# Altium PCB Gebru.PcbDoc (part 2 of 3) (continued)
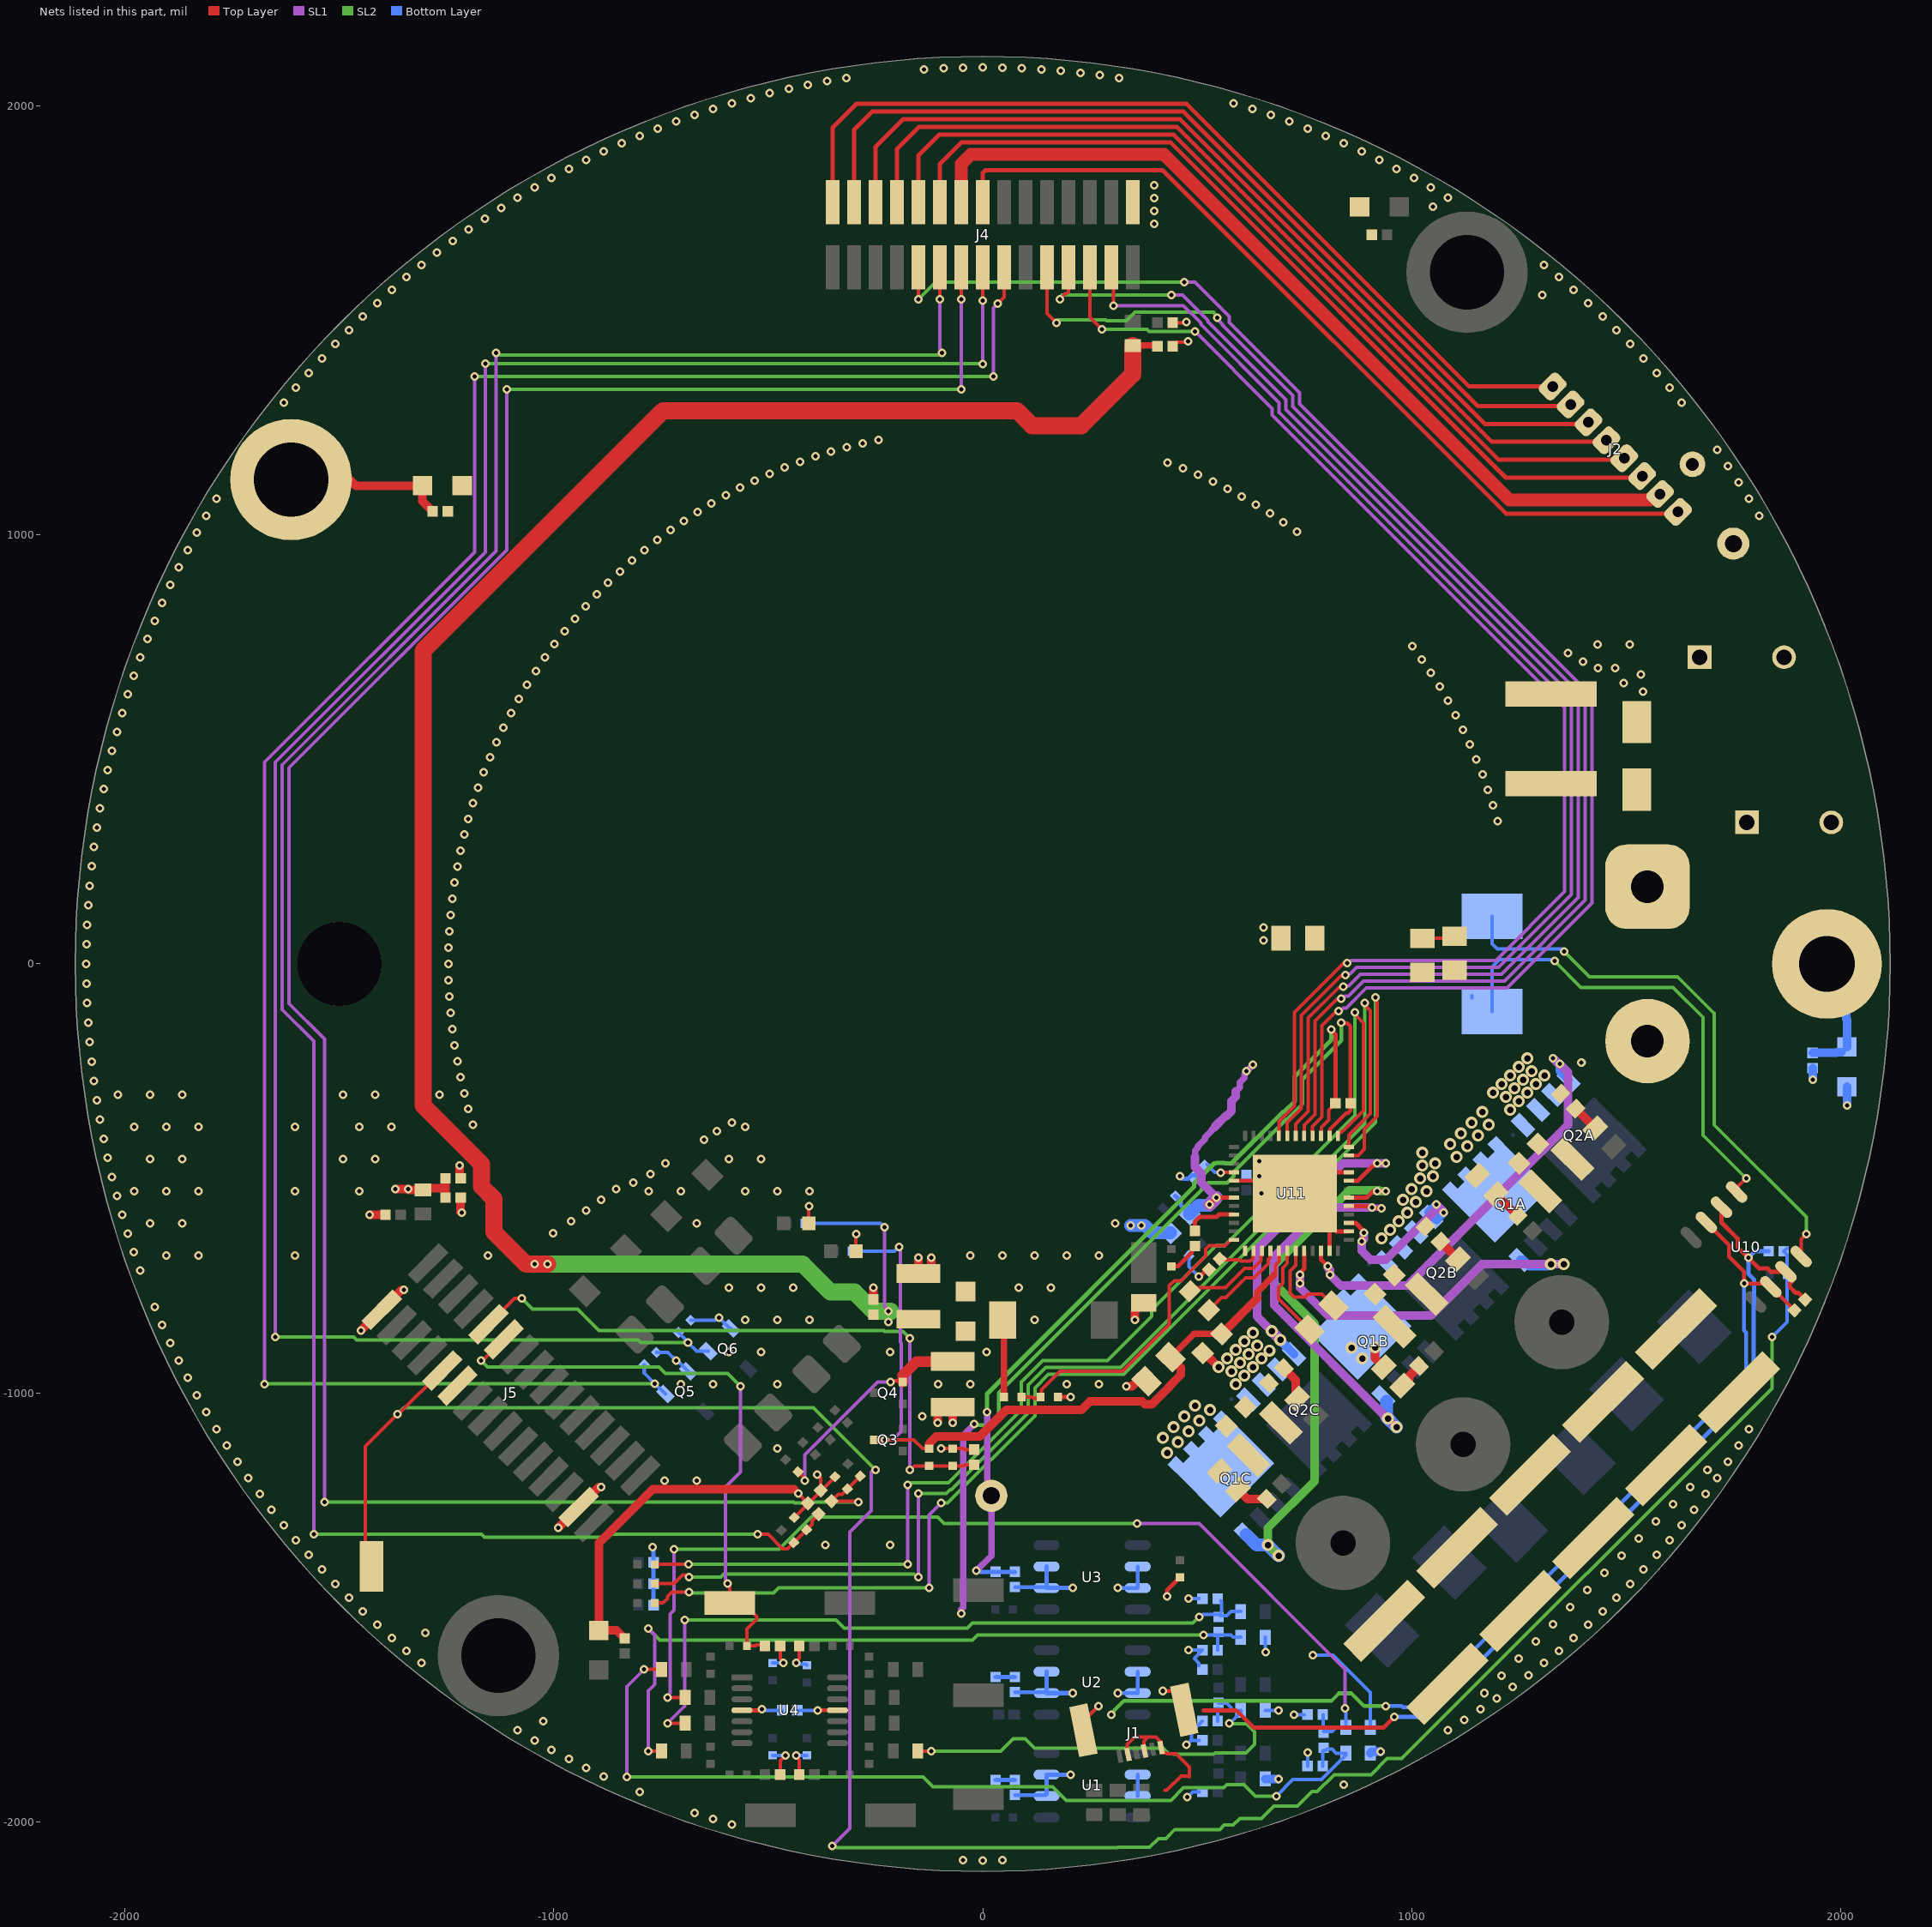
[diagram p6: the nets of this part, all layers, seen from the top]
## Nets (pads, with @x,y where several pads share a name; then routed paths per layer and width w, separated by ;. In a path a pad name is that pad's centre, name@x,y a point inside that pad or via, vN(x,y) a via of type N, cw(c..) or ccw(c..) an arc to the next point about the centre after c; other vN are vias at no path point) (continued)
  Top Layer w10: J4.19@-100,1776.38 -100,1865 -50,1915 438.18,1915 1219.52,1133.66 1533.93,1133.66 J2.3@1537.64,1137.36
ENC_TMP2: J2.4 J4.21 | length 2089.7
  Top Layer w10: J4.21@-150,1776.38 -150,1885 -102,1933 445.63,1933 1203.22,1175.42 1492.17,1175.42 J2.4@1495.88,1179.12
FB: R20.1 R22.2 U11.48 | length 721.9
  Top Layer w8: R20.1@90.18,-1010 114.98,-1010 118.16,-1013.18 131.64,-1013.18 R22.2@134.82,-1010 137.16,-1007.67 137.16,-992.84 180,-950 326.07,-950 435,-841.07 435,-750 446.47,-738.53 462.48,-738.53 480,-721.01 520.2,-680.81 520.2,-664.8 528,-657 565.32,-657 578.33,-643.99 585.42,-643.99 U11.48@586.14,-643.27
FB_STO1: C72.1 J4.18 R64.1 R66.2 | length 5584.4
  Top Layer w8: v1(-290,-1255) -292.3,-1252.7 -300.51,-1252.7 -300.69,-1252.53 C72.1@-352.47,-1252.53 -336.77,-1236.83 -328.29,-1236.83 R66.2@-315.73,-1224.27 R64.1@-285.73,-1194.27 ; v1(-50,1550) J4.18@-50,1623.62
  SL1 w8: v1(-1535,-1255) -1535,-175 -1618,-92 -1618,456.75 -1110,964.75 v1(-1110,1340) ; v1(-50,1340) v1(-50,1550)
  SL2 w8: v1(-1535,-1255) -441.11,-1255 -439.11,-1257 -420.89,-1257 -418.89,-1255 v1(-290,-1255) ; v1(-1110,1340) v1(-50,1340)
FB_STO2: C71.1 J4.20 R63.1 R65.2 | length 5472.7
  Top Layer w8: v1(-525,-1330) -500,-1330 -466.7,-1363.3 -454.76,-1363.3 R63.1@-440.73,-1349.27 R65.2@-410.73,-1319.27 -398.17,-1306.71 -398.17,-1298.23 C71.1@-382.47,-1282.53 ; v1(-100,1550) J4.20@-100,1623.62
  SL1 w8: v1(-1560,-1330) -1560,-180 -1634,-106 -1634,463.37 -1135,962.37 v1(-1135,1425) ; v1(-100,1550) -100,1433.25 -95,1428.25 v1(-95,1425)
  SL2 w8: v1(-1560,-1330) -1168.89,-1330 -1161.89,-1337 -873.11,-1337 -866.11,-1330 v1(-525,-1330) ; v1(-1135,1425) -1131.75,1425 -1126.75,1420 -103.25,1420 -98.25,1425 v1(-95,1425)
FSOE_STO1: J4.14 Q5.1 R69.2 | length 5027.3
  Top Layer w8: v1(35,1540) 50,1555 J4.14@50,1623.62
  SL1 w8: v1(-1675,-980) -1675,470 -1185,960 v1(-1185,1370) ; v1(25,1370) 25,1529.31 35,1539.31 v1(35,1540)
  SL2 w8: v1(-1675,-980) -1673.33,-978.33 v1(-764.56,-978.33) ; v1(-1185,1370) v1(25,1370)
  Bottom Layer w8: R69.2@-789.27,-934.27 -789.27,-953.63 v1(-764.56,-978.33) Q5.1@-739.85,-1003.04
FSOE_STO2: J4.16 Q6.1 R70.2 | length 4914.1
  Top Layer w8: v1(0,1546.93) J4.16@0,1623.62
  SL1 w8: v1(-1650,-870) -1650,470 -1160,960 v1(-1160,1400) ; v1(0,1398.93) v1(0,1546.93)
  SL2 w8: v1(-1650,-870) -1466.11,-870 -1459.11,-877 -803,-877 -797.7,-882.3 v1(-687.3,-882.3) ; v1(-1160,1400) -1.07,1400 v1(0,1398.93)
  Bottom Layer w8: R70.2@-709.27,-859.27 -695.24,-873.3 -695.24,-874.36 v1(-687.3,-882.3) -666.56,-903.04 Q6.1@-639.85,-903.04
GD_CLK: J4.4 U11.31 | length 3043.5
  Top Layer w8: J4.4@300,1623.62 305,1618.62 v1(305,1535) ; U11.31@710.16,-401.14 710,-400.98 710,-370.25 743,-337.25 743,-119.63 834.7,-27.93 843.18,-27.93 v1(845.48,-25.63)
  SL1 w8: v1(305,1535) 468.11,1535 508.82,1494.3 508.82,1491.08 691,1308.89 691,1286.12 1373,604.12 1373,161.98 1203.02,-8 872,-8 856.66,-23.34 847.78,-23.34 v1(845.48,-25.63)
GD_CPH: C22.1 U11.4 | length 215.7
  Top Layer w8: C22.1@527.27,-807.27 556.81,-777.73 566.8,-777.73 605.21,-739.31 605.31,-739.31 612.63,-732 632.98,-732 666.14,-698.83 666.14,-689.21 670.06,-685.29 670.06,-669.58 U11.4@670.79,-668.86
GD_CPL: C22.2 U11.3 | length 199.1
  Top Layer w8: C22.2@500,-755 565.49,-755 610.49,-710 620,-710 620.33,-709.67 631.27,-709.67 649.14,-691.79 649.14,-681.36 650.38,-680.12 650.38,-669.58 U11.3@651.1,-668.86
GD_CS: J4.6 U11.32 | length 3087.7
  Top Layer w8: J4.6@250,1623.62 250,1508 v1(278,1480) ; U11.32@690.47,-401.14 690.47,-367.16 727,-330.63 727,-113 839.7,-0.3 847.7,-0.3 v1(850,2)
  SL1 w8: v1(494.39,1474.39) 495.61,1474.39 675,1295 675,1279.49 1357,597.49 1357,168.61 1196.39,8 859.25,8 853.25,2 v1(850,2)
  SL2 w8: v1(278,1480) 382.55,1480 388.16,1474.39 v1(494.39,1474.39)
GD_DVDD: C25.1 U11.40 | length 72.2
  Top Layer w8: v1(554.34,-487.04) 555.59,-485.79 U11.40@586.14,-485.79
  Bottom Layer w8: C25.1@522.53,-467.47 540.66,-485.61 552.91,-485.61 v1(554.34,-487.04)
GD_FAULT_L: J4.22 U11.28 | length 3584.4
  Top Layer w8: v1(-150,1550) J4.22@-150,1623.62 ; U11.28@769.21,-401.14 769.21,-378.92 791,-357.14 791,-144 825,-110 v1(830,-110)
  SL1 w8: v1(470,1590) 494.75,1590 575,1509.75 575,1495.99 739,1331.99 739,1306 1421,624 1421,142.1 1222.9,-56 894.25,-56 847.5,-102.76 840.49,-102.76 833.25,-110 v1(830,-110)
  SL2 w8: v1@-150,1546.75 v1(-150,1550) -110,1590 v1(470,1590)
GD_MISO: J4.10 U11.29 | length 3273.7
  Top Layer w8: J4.10@150,1623.62 150,1517 v1(172,1495) ; U11.29@749.53,-401.14 749.53,-375.98 775,-350.51 775,-132.88 824.83,-83.05 833.32,-83.05 v1(835.61,-80.76)
  SL1 w8: v1(546.82,1506.82) 546.82,1503.57 559,1491.39 559,1489.37 723,1325.37 723,1299.37 1405,617.37 1405,148.73 1216.27,-40 887.63,-40 852.43,-75.19 844.42,-75.19 838.86,-80.76 v1(835.61,-80.76)
  SL2 w8: v1(172,1495) 172,1497.31 176.69,1502 287.11,1502 289.11,1500 335,1500 355,1520 539.31,1520 539.31,1517.57 546.82,1510.06 v1(546.82,1506.82)
GD_MOSI: J4.8 U11.30 | length 3197.3
  Top Layer w8: v1(180,1550) 192.05,1562.05 195.31,1562.05 200,1566.73 J4.8@200,1623.62 ; U11.30@729.84,-401.14 729.84,-373.04 759,-343.88 759,-126.25 829.76,-55.49 838.25,-55.49 v1(840.55,-53.19)
  SL1 w8: v1(440,1560) 465.74,1560 524.82,1500.92 524.82,1497.7 707,1315.52 707,1292.75 1389,610.75 1389,155.35 1209.65,-24 881,-24 853.73,-51.27 842.47,-51.27 v1(840.55,-53.19)
  SL2 w8: v1(180,1550) 180,1555 185,1560 v1(440,1560)
GD_SOA: R15.2 U11.25 | length 2787.2
  Top Layer w8: R15.2@-764.82,-1400 v1(-686,-1400) ; U11.25@828.27,-401.14 828.27,-394.06 828.99,-393.33 836.08,-393.33 844.41,-385 845,-385 888,-342 888,-138 873.24,-123.24 873.24,-121.49 868.18,-116.43 v1(868.18,-113.18)
  SL1 w8: v1(-175,-1400) v1(-175,-1215)
  SL2 w8: v1(-686,-1400) v1(-175,-1400) ; v1(-175,-1215) -171.75,-1215 -166.75,-1210 -80,-1210 90,-1040 90,-975 140,-925 291.11,-925 394.03,-822.08 394.03,-806.98 480,-721.01 544.01,-657 564.11,-657 868.18,-352.93 868.18,-350 v1(868.18,-113.18)
GD_SOB: R14.2 U11.24 | length 2906.5
  Top Layer w8: R14.2@-765.13,-1445 -720,-1445 -700,-1425 -693.25,-1425 -688.25,-1430 v1(-685,-1430) ; U11.24@853.86,-426.73 853.86,-398.77 904,-348.63 904,-109 890.68,-95.68 v1(890.68,-90.68)
  SL1 w8: v1(-150,-1430) v1(-150,-1235)
  SL2 w8: v1(-685,-1430) -611.11,-1430 -604.11,-1423 -160.25,-1423 -153.25,-1430 v1(-150,-1430) ; v1(-150,-1235) -85,-1235 -76,-1226 -73.37,-1226 106,-1046.63 106,-981.63 146.63,-941 322.24,-941 480,-783.24 890.68,-372.55 v1(890.68,-90.68)
GD_SOC: R13.2 U11.23 | length 2988.9
  Top Layer w8: R13.2@-764.82,-1490 -745.47,-1490 -735,-1479.53 -735,-1475 -725,-1465 v1(-685,-1465) ; U11.23@853.86,-446.42 875.67,-446.42 890,-432.09 890,-385.25 920,-355.25 920,-88.69 917.94,-86.63 917.94,-80.3 v1(915.65,-78)
  SL1 w8: v1(-125,-1455) -125,-1285 -97,-1257 v1(-96.81,-1257)
  SL2 w8: v1(-685,-1465) -683,-1467 -488.11,-1467 -476.11,-1455 v1(-125,-1455) ; v1(-96.81,-1257) -96.67,-1256.85 -81.6,-1256.85 122,-1053.25 122,-988.25 153.25,-957 328.86,-957 500.86,-785 915.65,-370.22 v1(915.65,-78)
GD_VCP: C18.2 U11.7 | length 223
  Top Layer w8: U11.7@729.84,-668.86 729.84,-702.63 717,-715.47 717,-768.08 718.92,-770 725.61,-776.69 751.4,-776.69 758.18,-769.91 790.58,-769.91 C18.2@817.84,-797.16
GD_VGLS: C23.1 U11.2 | length 104.2
  Top Layer w8: C23.1@550,-690 552.47,-692.47 559.13,-692.47 561.6,-690 599.37,-690 602.04,-692.67 624.22,-692.67 630.97,-685.92 630.97,-669.3 U11.2@631.42,-668.86
GHA: Q1A.4 U11.8 | length 910.9
  Top Layer w10: v1(740,-745) v1(740,-725) 740,-722.29 745,-717.29 745,-715 749.53,-710.47 U11.8@749.53,-668.86
  SL1 w20: v1(740,-725) v1(740,-745) 740,-755 805,-820 1045,-820 1165,-700 v3(1325,-700) v3(1355,-700)
  Bottom Layer w20: Q1A.4@1254.08,-690.15 1259.7,-690.15 1274.56,-705 1317.84,-705 1322.84,-700 v3(1325,-700) v3(1355,-700)
GHB: Q1B.4 U11.17 | length 966.7
  Top Layer w8: 875.67,-564.53 876.14,-565 ; v1@905.05,-565.65 v1(907.35,-567.95) ; v1@907.35,-570.97 v1(907.35,-567.95) ; v1@908.38,-568.97 v1(907.35,-567.95) ; v1@928.97,-568.97 v1(930,-570)
  Top Layer w10: U11.17@853.86,-564.53 875.67,-564.53 ; 876.14,-565 896.66,-565 897.32,-565.65 v1@905.05,-565.65 ; v1@908.38,-568.97 v1@928.97,-568.97
  SL1 w15: v1(907.35,-567.95) 926.59,-567.95 928.65,-570 v1(930,-570)
  SL1 w20: v1(907.35,-567.95) 793.62,-567.95 680,-681.57 680,-796.04 943.96,-1060 v3(945,-1060) v3(965,-1080)
  Bottom Layer w30: Q1B.4@941.85,-1019.36 941.85,-1056.85 v3(965,-1080)
GHC: Q1C.4 U11.18 | length 1295.8
  Top Layer w10: U11.18@853.86,-544.84 895.16,-544.84 910,-530 v1(920,-530) v1(940,-530)
  SL2 w20: v3(690,-1380) v3(665,-1355) 665,-1314.6 774.19,-1205.41 774.19,-839.19 678,-743 678,-704.53 854.58,-527.95 923.92,-527.95 925.97,-530 v1(940,-530)
  Bottom Layer w30: Q1C.4@614.08,-1330.15 638.93,-1355 v3(665,-1355) v3(690,-1380)
GLA: Q2A.4 U11.10 | length 1044.1
  Top Layer w10: U11.10@788.9,-668.86 788.9,-689.14 794.76,-695 795,-695 v1(805,-705) 806.91,-706.91 806.91,-719.21 810,-722.29 v1(810,-725)
  SL1 w20: v1(805,-705) 805,-709.15 810,-714.15 v1(810,-725) 835,-750 990,-750 1365,-375 1365,-253.2 v1(1345.23,-233.42) 1343.42,-233.42 v1(1330,-220)
  Bottom Layer w20: v1(1330,-220) 1343.42,-233.42 v1(1345.23,-233.42) 1345.23,-249.16 Q2A.4@1365.92,-269.85
GLB: Q2B.4 U11.15 | length 503.8
  Top Layer w10: U11.15@853.86,-603.9 869.81,-603.9 878.67,-612.76 878.67,-613.67 885,-620 885,-620.7 888.49,-624.19 v1(888.49,-626.9) 886.58,-628.81 886.58,-640.72 883.67,-643.62 v1(883.67,-646.33)
  SL1 w20: v1(888.49,-626.9) 888.49,-641.51 v1(883.67,-646.33) 883.67,-668.67 905,-690 940,-690 1057.52,-572.48 v1(1057.52,-561.14) 1073.56,-577.18 1073.56,-578.56 v1(1075,-580)
  Bottom Layer w20: Q2B.4@1045.92,-589.85 1055.77,-580 v1@1065,-580 ; Q2B.4@1040.17,-578.48 v1(1057.52,-561.14) 1073.56,-577.18 1073.56,-578.56 v1(1075,-580) 1058.34,-596.66 Q2B.4@1040.17,-578.48
GLC: Q2C.4 U11.20 | length 784.4
  Top Layer w10: U11.20@865,-505.43 874.57,-505.43 910,-470 912.29,-470 917.29,-465 v1(920,-465) v1(940,-465)
  SL1 w20: v3(673.89,-856.11) 640,-822.23 640,-730 640,-665 840,-465 v1(920,-465) v1(940,-465)
  SL1 w25: v3(673.89,-856.11) v3(694.11,-876.34)
  Bottom Layer w20: v3(673.89,-856.11) v3(694.11,-876.34) ; v3@695.36,-875.08 697.21,-876.93 697.21,-881.15 Q2C.4@725.92,-909.85
GND: C2A.1 C2B.1 C2C.1 C3.2 C4.2 C5.2 C10.2 C11.2 C12.2 C13.2 C14.2 C15.2 C16.2 C17.2 C19.2 C20.2 C23.2 C25.2 C31.2 C32.2 C33.2 C34.2 C35.2 C36.2 C37.2 C44.2 C48.1 C49.2 C51.2 C53.1 C56.1 C57.2 C60.1 C61.2 C62A.2 C62B.2 C62C.2 C63A.2 C63B.2 C63C.2 C65.2 C66.2 C70.2 C71.2 C72.2 C73.2 D1.A D2.1 D3.1 D10.A J4.1 M10.1 NT1A.2 NT1B.2 NT1C.2 pad.3 Q2A.1 Q2B.1 Q2C.1 Q5.2 Q6.2 R3.1 R19.1 R22.1 R27.1 R34.1 R41.1 R48.1 R56.1 R61.1 R65.1 R66.1 R69.1 R70.1 R71.1 R72.1 TP2.1 U11.1 U11.11 U11.14 U11.21 U11.41 U11.49 | length 2983.4
  Top Layer w8: R65.1@-439.27,-1290.73 R66.1@-344.27,-1195.73 ; v1(-430,-1235) C71.2@-407.53,-1257.47 ; D2.1@-405.47,-605 -405.47,-565.47 v1(-405,-565) ; v1(-385.4,-1191) -384,-1191 -377.53,-1197.47 C72.2@-377.53,-1227.47 ; D3.1@-295.47,-670 -295.47,-630.47 v1(-295,-630) ; v1(-97.16,-1130) -96.98,-1129.82 R61.1@-70,-1129.82 -44.67,-1129.82 -42.2,-1132.28 C70.2@-20,-1132.28 ; C66.2@442.72,1440 452.72,1450 477.03,1450 v1(478.42,1451.39) ; C65.2@442.72,1495 473,1495 v1(475,1497)
  Top Layer w9: U11.41@586.14,-505.47 U11.49@655,-505.47
  Top Layer w10: R22.1@175.18,-1010 v1(205,-1010) ; v1(503.42,-728.71) 506.12,-728.71 522.3,-712.53 C23.2@527.47,-712.53 ; U11.11@808.58,-668.86 U11.49@808.58,-608.8 ; U11.49@808.58,-605 U11.49@808.58,-608.8 ; U11.14@853.86,-623.58 823.37,-623.58 U11.49@808.58,-608.8 ; U11.21@853.86,-485.79 776.61,-485.79 U11.49@727.4,-535 734.78,-535 U11.49@808.58,-608.8
  Top Layer w20: C61.2@-835,-1572.28 -853.54,-1553.74 R71.1@-895,-1553.74 -895,-1350 -770,-1225 -440,-1225 ; C33.2@-255,-782.28 v1(-255,-755) ; v1(-150,-685) C31.2@-150,-721.85 -131.65,-721.85 -120,-710.2 v1(-120,-685) ; v1(-105,-1070) -105,-1044.8 -93.35,-1033.15 C32.2@-70,-1033.15 v1(-70,-1070) ; v1(335,-985) 348.17,-985 362.31,-970.86 380.18,-970.86 C17.2@382.16,-972.84 ; v1(355,-830) 355,-810.04 355.47,-809.57 355.47,-800.71 366.14,-790.04 D10.A@375,-790.04 ; C16.2@512.73,-907.27 517.27,-907.27 v3(550,-940)
  Bottom Layer w8: R69.1@-760.73,-905.73 -734.27,-905.73 v1(-715,-925) -712.11,-925 Q5.2@-686.96,-950.15 ; R70.1@-680.73,-830.73 -623.98,-830.73 -618.25,-825 v1(-615,-825) -589.85,-850.15 Q6.2@-586.96,-850.15 ; v1(475,-1820) 475.69,-1820 485.69,-1810 C60.1@505,-1810 ; v1(477.32,-1942.3) 489.62,-1930 C57.2@505,-1930 ; v1(480,-1600) C44.2@512.28,-1600 493.39,-1618.89 493.39,-1619.65 504.08,-1630.33 C56.1@504.08,-1636.8 ; v1(480,-1480) C48.1@505,-1480 ; R19.1@480.73,-680.63 480.73,-706.02 v1(503.42,-728.71) ; 485.34,-1809.66 487.02,-1807.98 487.02,-1790.27 504.08,-1773.2 C51.2@512.28,-1765 ; R41.1@658.54,-1740 v1(690,-1740) ; R27.1@658.54,-1570 658.54,-1603.54 v1(660,-1605) ; v1(725.83,-1750) C53.1@750,-1750 ; C49.2@757.28,-1870 v1(757.28,-1838.54)
  Bottom Layer w10: v2(460,-495) 461.48,-495 467.15,-500.67 479.14,-500.67 487.28,-492.53 C25.2@497.47,-492.53
  Bottom Layer w20: R48.1@658.54,-1900 v1(690,-1900) ; R34.1@903.54,-1840 903.54,-1839.67 906.34,-1836.87 v1(927.45,-1836.87) ; v1(1935,-270) C5.2@1935,-242.72 ; v1(2015,-330) R3.1@2015,-286.26
  Bottom Layer w30: v1(345,-610) v1(370,-610) 378.33,-610 394.91,-626.58 431.8,-626.58 437.03,-626.58 C36.2@437.73,-627.27
  other v1: 841.74,-1913 1084.24,-1786.77 1122.96,-1762.69 1161.14,-1737.77 1198.77,-1712.03 1170,-1700 1235.84,-1685.47 1210,-1660 1272.31,-1658.11 1308.18,-1629.96 1250,-1620 1343.43,-1601.03 1290,-1580 1378.03,-1571.35 1411.98,-1540.91 1330,-1540 1445.26,-1509.74 1370,-1500 1477.85,-1477.85 1410,-1460 1509.74,-1445.26 1450,-1420 1540.91,-1411.98 1490,-1380 1571.35,-1378.03 1601.03,-1343.43 1530,-1340 1629.96,-1308.18 1570,-1300 1658.11,-1272.31 1610,-1260 1685.47,-1235.84 1650,-1220 1712.03,-1198.78 1690,-1180 1737.77,-1161.14 1762.69,-1122.96 1786.77,-1084.24 -1963.96,-714.82 -1979.08,-671.81 -1993.27,-628.48 -1001.52,-627.99 -960,-600 -2006.5,-584.84 -925,-575 -890,-550 -2018.78,-540.93 650,-535 -855,-525 -815,-510 -2030.1,-496.76 645,-495 -775,-490 -740,-465 645,-460 -2040.46,-452.36 -650,-410 -2049.84,-407.74 -620,-390 -1188.33,-374.68 -585,-370 -2058.25,-362.92 -1199.22,-338.21 -2065.68,-317.94 -1208.99,-301.43 -2072.12,-272.8 -1217.63,-264.37 -2077.58,-227.53 -1225.14,-227.07 -1231.5,-189.55 -2082.05,-182.16 -1236.71,-151.85 -2085.53,-136.69 -1240.77,-114.01 -2088.01,-91.16 -1243.68,-76.07 -2089.5,-45.59 -1245.42,-38.05 -2090,0 -1246,0 -1245.42,38.05 -2089.5,45.59 655,55 -1243.68,76.07 655,85 -2088.01,91.16 -1240.77,114.01 -2085.52,136.69 -1236.71,151.85 -2082.05,182.16 -1231.5,189.55 -2077.58,227.53 -1225.14,227.07 -1217.63,264.37 -2072.12,272.8 -1208.99,301.43 -2065.67,317.94 1200.68,332.98 -1199.22,338.21 -2058.25,362.92 1189.95,369.49 -1188.33,374.68 1178.12,405.66 -2049.84,407.74 -1176.33,410.79 1165.18,441.45 -1163.24,446.53 -2040.46,452.36 1151.15,476.82 -1149.06,481.84 -2030.1,496.76 1136.06,511.76 -1133.81,516.71 -2018.78,540.93 1119.9,546.21 -1117.5,551.09 1102.69,580.16 -2006.5,584.84 -1100.15,584.96 1084.46,613.56 -1081.78,618.29 -1993.27,628.47 1540,635 1065.22,646.39 -1062.39,651.03 1495,655 -1979.08,671.81 1535,675 1044.98,678.62 -1042.01,683.17 1435,690 1475,690 1400,705 1023.77,710.22 -1963.96,714.82 -1020.66,714.68 1365,725 1001.61,741.15 -998.36,745.51 -1947.9,757.5 -975.13,775.65 -1930.91,799.81 -950.99,805.07 -925.96,833.74 -1913,841.74 -900.07,861.63 -1894.18,883.27 -873.33,888.71 -845.79,914.97 -1874.46,924.38 -817.45,940.37 -1853.85,965.05 -788.35,964.89 -758.52,988.52 -1832.36,1005.27 732.38,1008.04 -727.98,1011.22 701.25,1029.93 -696.75,1032.98 -1809.99,1045 1809.99,1045 669.48,1050.87 -664.88,1053.78 637.07,1070.82 -632.39,1073.59 -1786.77,1084.24 1786.77,1084.24 604.07,1089.78 -599.31,1092.4 570.51,1107.72 -565.67,1110.19 1762.69,1122.96 536.42,1124.62 -531.5,1126.95 501.82,1140.48 -496.84,1142.66 466.76,1155.27 -461.71,1157.3 1737.77,1161.14 431.26,1168.99 -426.16,1170.86 -390.2,1183.33 -353.88,1194.69 1712.03,1198.77 -317.23,1204.94 -280.29,1214.07 -243.08,1222.06 -1629.96,1308.18 1629.96,1308.18 -1601.03,1343.43 1601.03,1343.43 -1571.34,1378.03 1571.35,1378.03 -1540.91,1411.98 1540.91,1411.98 -1509.74,1445.26 1509.74,1445.26 -1477.85,1477.85 1477.85,1477.85 -1445.26,1509.74 1445.26,1509.74 -1411.98,1540.91 1411.98,1540.91 1305,1560 -1378.03,1571.34 1378.03,1571.34 -1343.43,1601.03 1343.43,1601.03 -1308.18,1629.96 1308.18,1629.96 -1272.31,1658.11 -1235.84,1685.47 -1198.77,1712.03 400,1725 -1161.14,1737.77 400,1755 -1122.96,1762.69 1050,1765 400,1785 -1084.24,1786.77 1084.24,1786.77 -1045,1809.99 1045,1809.99 400,1815 -1005.27,1832.36 1005.27,1832.36 -965.05,1853.85 965.05,1853.85 -924.38,1874.46 924.38,1874.46 -883.27,1894.18 883.27,1894.18 -841.74,1913 841.74,1913 -799.81,1930.91 799.81,1930.91 -757.5,1947.9 757.5,1947.9 -714.82,1963.96 714.82,1963.96 -671.81,1979.08 671.81,1979.08 -628.47,1993.27 628.48,1993.27 -584.84,2006.5 584.84,2006.5 -540.93,2018.78 -496.76,2030.1 -452.36,2040.46 -407.74,2049.84 -362.92,2058.25 -317.94,2065.67 317.94,2065.67 272.8,2072.12 227.53,2077.58 182.16,2082.05 -136.69,2085.52 136.69,2085.52 -91.16,2088.01 91.16,2088.01 -45.59,2089.5 45.59,2089.5 0,2090
  other v2: -366.41,-1354.84 -216.41,-1354.84 -741.41,-1204.84 -666.41,-1204.84 -478.91,-1129.84 -141.41,-1054.84 -703.91,-979.84 -628.91,-979.84 -478.91,-979.84 -103.91,-979.84 -28.91,-979.84 196.09,-979.84 271.09,-979.84 -591.41,-904.84 -516.41,-904.84 -216.41,-904.84 8.59,-904.84 -553.91,-829.84 -478.91,-829.84 -403.91,-829.84 121.09,-829.84 -591.41,-754.84 -516.41,-754.84 -441.41,-754.84 83.59,-754.84 158.59,-754.84 -1903.91,-679.84 -1828.91,-679.84 -1603.91,-679.84 -1153.91,-679.84 -28.91,-679.84 46.09,-679.84 121.09,-679.84 196.09,-679.84 271.09,-679.84 -1941.41,-604.84 -1866.41,-604.84 -666.41,-604.84 308.59,-604.84 -1978.91,-529.84 -1903.91,-529.84 -1828.91,-529.84 -1603.91,-529.84 -1453.91,-529.84 -778.91,-529.84 -703.91,-529.84 -553.91,-529.84 -478.91,-529.84 -403.91,-529.84 -1941.41,-454.84 -1866.41,-454.84 -1491.41,-454.84 -1416.41,-454.84 -591.41,-454.84 -516.41,-454.84 -1978.91,-379.84 -1903.91,-379.84 -1828.91,-379.84 -1603.91,-379.84 -1453.91,-379.84 -1378.91,-379.84 -553.91,-379.84 -2016.41,-304.84 -1941.41,-304.84 -1866.41,-304.84 -1491.41,-304.84 -1416.41,-304.84 -1266.41,-304.84 1396.09,-229.84 1433.59,745.16 1508.59,745.16
  other v3: 590,-980 610,-960 580,-950 630,-940 600,-930 570,-920 650,-920 620,-910 668.42,-901.55 590,-900 640,-890 610,-880 630,-860 930,-640 950,-620 970,-600 990,-580 1010,-555 980,-550 1035,-530 1000,-525 1020,-500 1050,-495 1025,-470 1055,-465 1025,-440 1230,-340 1250,-320 1220,-310 1190,-300 1270,-300 1240,-290 1210,-280 1290,-280 1260,-270 1230,-260 1310,-260 1280,-250 1250,-240 1270,-220
MOTOR_CURRENT_ADC: C24.1 J5.9 R11.2 TP10.1 | length 5629.3
  Top Layer w8: TP10.1@-1440,-1415 -1440,-1125 v1(-1365,-1050) -1362.13,-1050 J5.9@-1260.07,-947.94
  SL1 w8: v1(-350.94,-2056.02) -310,-2015.08 -310,-1325 -260,-1275 -260,-1185 -255,-1180 v1(-250,-1180)
  SL2 w8: v1(-1365,-1050) -1350,-1035 -395,-1035 v1(-250,-1180) ; v1(-350.94,-2056.02) -348.65,-2058.32 -341.68,-2058.32 -340,-2060 315.29,-2060 315.48,-2059.81 388.99,-2059.81 409.53,-2039.27 426.84,-2039.27 447.38,-2018.73 552.38,-2018.73 563.27,-2007.84 584.29,-2007.84 599.45,-1992.68 649.47,-1992.68 679.14,-1963.01 734.14,-1963.01 767.37,-1929.78 780.22,-1929.78 820,-1890 905.43,-1890 942.55,-1852.88 977.12,-1852.88 1840,-990 v1(1840,-870)
  Bottom Layer w8: v1(1840,-870) 1875.18,-834.82 R11.2@1875.18,-725 1875.18,-677.46 C24.1@1867.72,-670 C24.1@1875.18,-662.54
MPWR: C10.1 C11.1 C12.1 C13.1 C15.1 C18.1 C19.1 C20.1 C62A.1 C62B.1 C62C.1 C63A.1 C63B.1 C63C.1 Q1A.5 Q1B.5 Q1C.5 R10.2 R24A.2 R24B.2 R24C.2 R37.1 U10.1 U11.6 | length 1659
  Top Layer w8: U11.6@710.16,-668.86 710.16,-698.27 700,-708.43 700,-745 690,-755 690,-769.72 689.72,-770 689.72,-777.4 690,-777.68 690,-780.68 C18.1@762.16,-852.84 ; U10.1@1757.87,-532.87 1757.87,-522.13 v1(1780,-500)
  Top Layer w20: v3(915,-894) 914.71,-894.29 914.71,-919.71 R24B.2@935,-940
  SL2 w8: v1(1333.49,6.51) 1395,-55 1610,-55 1680,-125 1680,-400 v1(1780,-500)
  Bottom Layer w8: v1(769.44,-1611.8) 816.8,-1611.8 903.54,-1698.54 R37.1@903.54,-1780 ; R10.2@1140.97,-78.64 R10.2@1140.97,-73.64 ; R10.2@1187.38,-111.22 1187.38,-6.91 1204.29,10 1322.81,10 ; v1@1330,10 1322.81,10 ; v1(1333.49,6.51) 1331.2,8.8 1324,8.8 1322.81,10
  other v3: 430,-1140 455,-1115 420,-1105 480,-1090 445,-1080 505,-1065 470,-1055 530,-1040 495,-1030 885,-920 860,-895 1105,-450 1130,-425 1090,-420 1155,-400 1115,-395 1180,-375 1140,-370 1165,-345
MPWR_IN: C3.1 C4.1 C34.1 C35.1 C36.1 D1.K M9.1 R10.1 R18.1 U10.8 U11.43 | length 1998.4
  Top Layer w8: C4.1@1025,59.37 1025.63,60 1095.63,60 C3.1@1100,64.37 ; U10.8@1908.2,-682.13 1908.2,-641.8 v1(1920,-630)
  Top Layer w10: v1(529.07,-560.93) v1(545,-545) 550,-545 550.16,-544.84 U11.43@586.14,-544.84
  SL1 w15: 495,-450 495,-435.36 501.78,-428.58 501.78,-425.21 518.3,-408.69 518.3,-404.68 533.15,-389.83 533.15,-387.84 540.5,-380.5 ; 590,-297.32 599.11,-288.21 599.11,-276.34 610,-265.45 610,-256.35 615,-251.35 v1(615,-250) v1(630,-235)
  SL1 w20: 495,-450 495,-473.43 510,-488.43 510,-510 v1(545,-545) ; 540.5,-380.5 565.99,-355 568.28,-355 580,-343.28 580,-320 590,-310 590,-297.32
  SL1 w30: v1(529.07,-560.93) v1(545,-545)
  SL2 w8: v1(1355.99,29.01) 1415,-30 1620,-30 1705,-115 1705,-375 1920,-590 v1(1920,-630)
  Bottom Layer w8: R10.1@1187.38,111.22 1187.38,47.38 1199.76,35 1346.75,35 ; v1@1350,35 1346.75,35 ; v1(1355.99,29.01) 1352.75,29.01 1346.75,35
  Bottom Layer w10: R18.1@449.27,-540.73 461.63,-553.1 461.63,-562.09 C36.1@482.27,-582.73
  Bottom Layer w30: C36.1@482.27,-582.73 502.57,-562.43 527.57,-562.43 v1(529.07,-560.93) v1(545,-545)
NetC1A_2: C1A.2 R24A.1 | length 72.2
  Top Layer w20: R24A.1@1196.58,-536.58 C1A.2@1247.6,-587.6
NetC1B_2: C1B.2 R24B.1 | length 62.1
  Top Layer w20: R24B.1@978.15,-983.15 995,-966.3 995,-960 C1B.2@1017.6,-937.4
NetC1C_2: C1C.2 R24C.1 | length 78
  Top Layer w20: R24C.1@595,-1225 617.4,-1247.4 651.69,-1247.4 653.08,-1246.01 661.21,-1246.01 C1C.2@662.6,-1247.4
NetC2A_2: C2A.2 R54A.1 | length 65.1
  Top Layer w20: C2A.2@1382.4,-337.4 R54A.1@1428.42,-383.42
NetC2B_2: C2B.2 R54B.1 | length 66.4
  Top Layer w20: C2B.2@1067.4,-647.4 R54B.1@1114.38,-694.38
NetC2C_2: C2C.2 R54C.1 | length 83.8
  Top Layer w20: C2C.2@702.4,-942.6 702.6,-942.6 730,-970 730,-1010 R54C.1@733.42,-1013.42
NetC5_1: C5.1 M4.1 R3.2 | length 266.4
  Top Layer w15.9: M4.1@1968.5,0 M4.1@2003.5,35
  Bottom Layer w20: C5.1@1935,-207.28 1990.65,-207.28 1991.55,-206.38 R3.2@2002.36,-206.38 ; M4.1@2013.64,-45.14 2013.64,-128.31 2015,-129.67 R3.2@2015,-193.74
NetC14_1: C14.1 MTH6.1 R56.2 | length 420.4
  Top Layer w20: MTH6.1@-1630,1180 -1595,1145 -1492.05,1145 -1462.05,1115 R56.2@-1306.26,1115 -1306.26,1078.54 C14.1@-1282.72,1055
NetC26_2: C26.2 R16.1 | length 78.9
  Top Layer w10: R16.1@440,-705.18 454.82,-705.18 480,-680 487.8,-672.2 487.8,-664.92 C26.2@495,-657.72
NetC44_1: C44.1 C45.2 R27.2 R28.1 | length 1763.6
  Top Layer w8: v1(-780,-1835) R28.1@-748.54,-1835
  SL1 w8: v1(-780,-1835) -780,-1695 -765,-1680 -765,-1565 v1(-780,-1550)
  SL2 w8: v1(-780,-1550) -753,-1577 -24.32,-1577 -12.32,-1565 v1(515,-1565)
  Bottom Layer w8: v1(515,-1565) C45.2@547.72,-1565 ; C44.1@547.72,-1600 C45.2@547.72,-1565 ; R27.2@601.46,-1570 583.35,-1570 578.35,-1565 C45.2@547.72,-1565
NetC45_1: C45.1 C48.2 R30.2 R31.1 | length 1645.6
  Top Layer w8: v1(-735,-1770) R31.1@-693.54,-1770
  SL1 w8: v1(-735,-1770) -695,-1730 v1(-695,-1530)
  SL2 w8: v1(-695,-1530) -342.11,-1530 -323.11,-1549 -35.92,-1549 -23.92,-1537 490.2,-1537 v1(505,-1522.2)
  Bottom Layer w8: v1(505,-1522.2) 508.25,-1522.2 514.25,-1516.2 C45.1@553.59,-1516.2 ; C45.1@553.59,-1520 568.66,-1520 578.66,-1510 R30.2@601.46,-1510 ; C48.2@555,-1485 557.03,-1487.03 557.03,-1509.64
NetC49_1: C49.1 C50.2 R34.2 R35.1 | length 2172.3
  Top Layer w8: v1(-790,-1645) R35.1@-748.54,-1645
  SL1 w8: v1(-830,-1895) -830,-1685 v1(-790,-1645)
  SL2 w8: v1(-830,-1895) -138.89,-1895 -115.89,-1918 163,-1918 195,-1950 438.5,-1950 468.21,-1920.3 562.01,-1920.3 569.31,-1913 609.11,-1913 636.11,-1940 v1(685,-1940)
  Bottom Layer w8: v1(685,-1940) 723.16,-1901.84 789.54,-1901.84 846.46,-1844.92 R34.2@846.46,-1840 823.66,-1840 814.52,-1830.86 803.2,-1830.86 801.14,-1832.92 801.14,-1833.86 794.78,-1833.86 792.72,-1835.92 C49.1@792.72,-1870
NetC50_1: C50.1 C53.2 R37.2 R39.1 | length 2357
  Top Layer w8: v1(-735,-1710) R39.1@-693.54,-1710
  SL1 w8: v1(-735,-1710) -735,-1706.75 -729,-1700.75 -729,-1515.92 -720,-1506.92 v1(-720,-1365) ; v1(360,-1305) 505,-1305 845,-1645 v1(845,-1735)
  SL2 w8: v1(-720,-1365) -475,-1365 -400,-1290 -105,-1290 -90,-1305 v1(360,-1305)
  Bottom Layer w8: 793.49,-1780 C53.2@793.49,-1750 ; C50.1@795,-1789.94 815.06,-1789.94 825,-1780 R37.2@846.46,-1780 846.46,-1736.46 v1(845,-1735)
NetC51_1: C51.1 C54.2 R41.2 R42.1 | length 1049.7
  Top Layer w8: R42.1@-151.46,-1835 v1(-120,-1835)
  SL2 w8: v1(-120,-1835) 41.92,-1835 70.92,-1806 99.08,-1806 121.08,-1828 420.78,-1828 433.78,-1841 444.08,-1841 445.08,-1842 538.49,-1842 541.49,-1839 614.08,-1839 634,-1819.08 634,-1790.92 614.08,-1771 576,-1771 v1(575,-1770)
  Bottom Layer w8: C51.1@547.72,-1765 547.72,-1742.8 550,-1740.51 550,-1735 ; C54.2@550,-1723.49 568.49,-1723.49 578.66,-1733.66 578.66,-1735.31 583.35,-1740 R41.2@601.46,-1740 601.46,-1744.92 576.38,-1770 v1(575,-1770)
NetC52_1: C52.1 J5.12 R36.2 TP7.1 | length 1425.6
  Top Layer w8: v1(-1170,-925) -1166.75,-925 -1160.99,-919.23 -1160.65,-919.23 J5.12@-1116.7,-875.28 ; v1(-595,-1445) -595,-1447.44 -590,-1452.44 TP7.1@-590,-1490 -558.5,-1490 -527.19,-1521.32 -527.19,-1527.94 -549.82,-1550.58 R36.2@-549.82,-1590 -529.92,-1590 -527.23,-1587.31 -510.4,-1587.31 C52.1@-507.72,-1590
  SL1 w8: v1(-595,-1445) -595,-1441.75 -600,-1436.75 -600,-1220 -565,-1185 v1(-565,-985)
  SL2 w8: v1(-1170,-925) -1155,-940 -755,-940 -740,-955 -595,-955 v1(-565,-985)